# Allegro board RK3588S_Template_LP4XD200P232SD8H2_31X31_2133MHz_H1R6_V11_20220218YWQ.brd (continued)
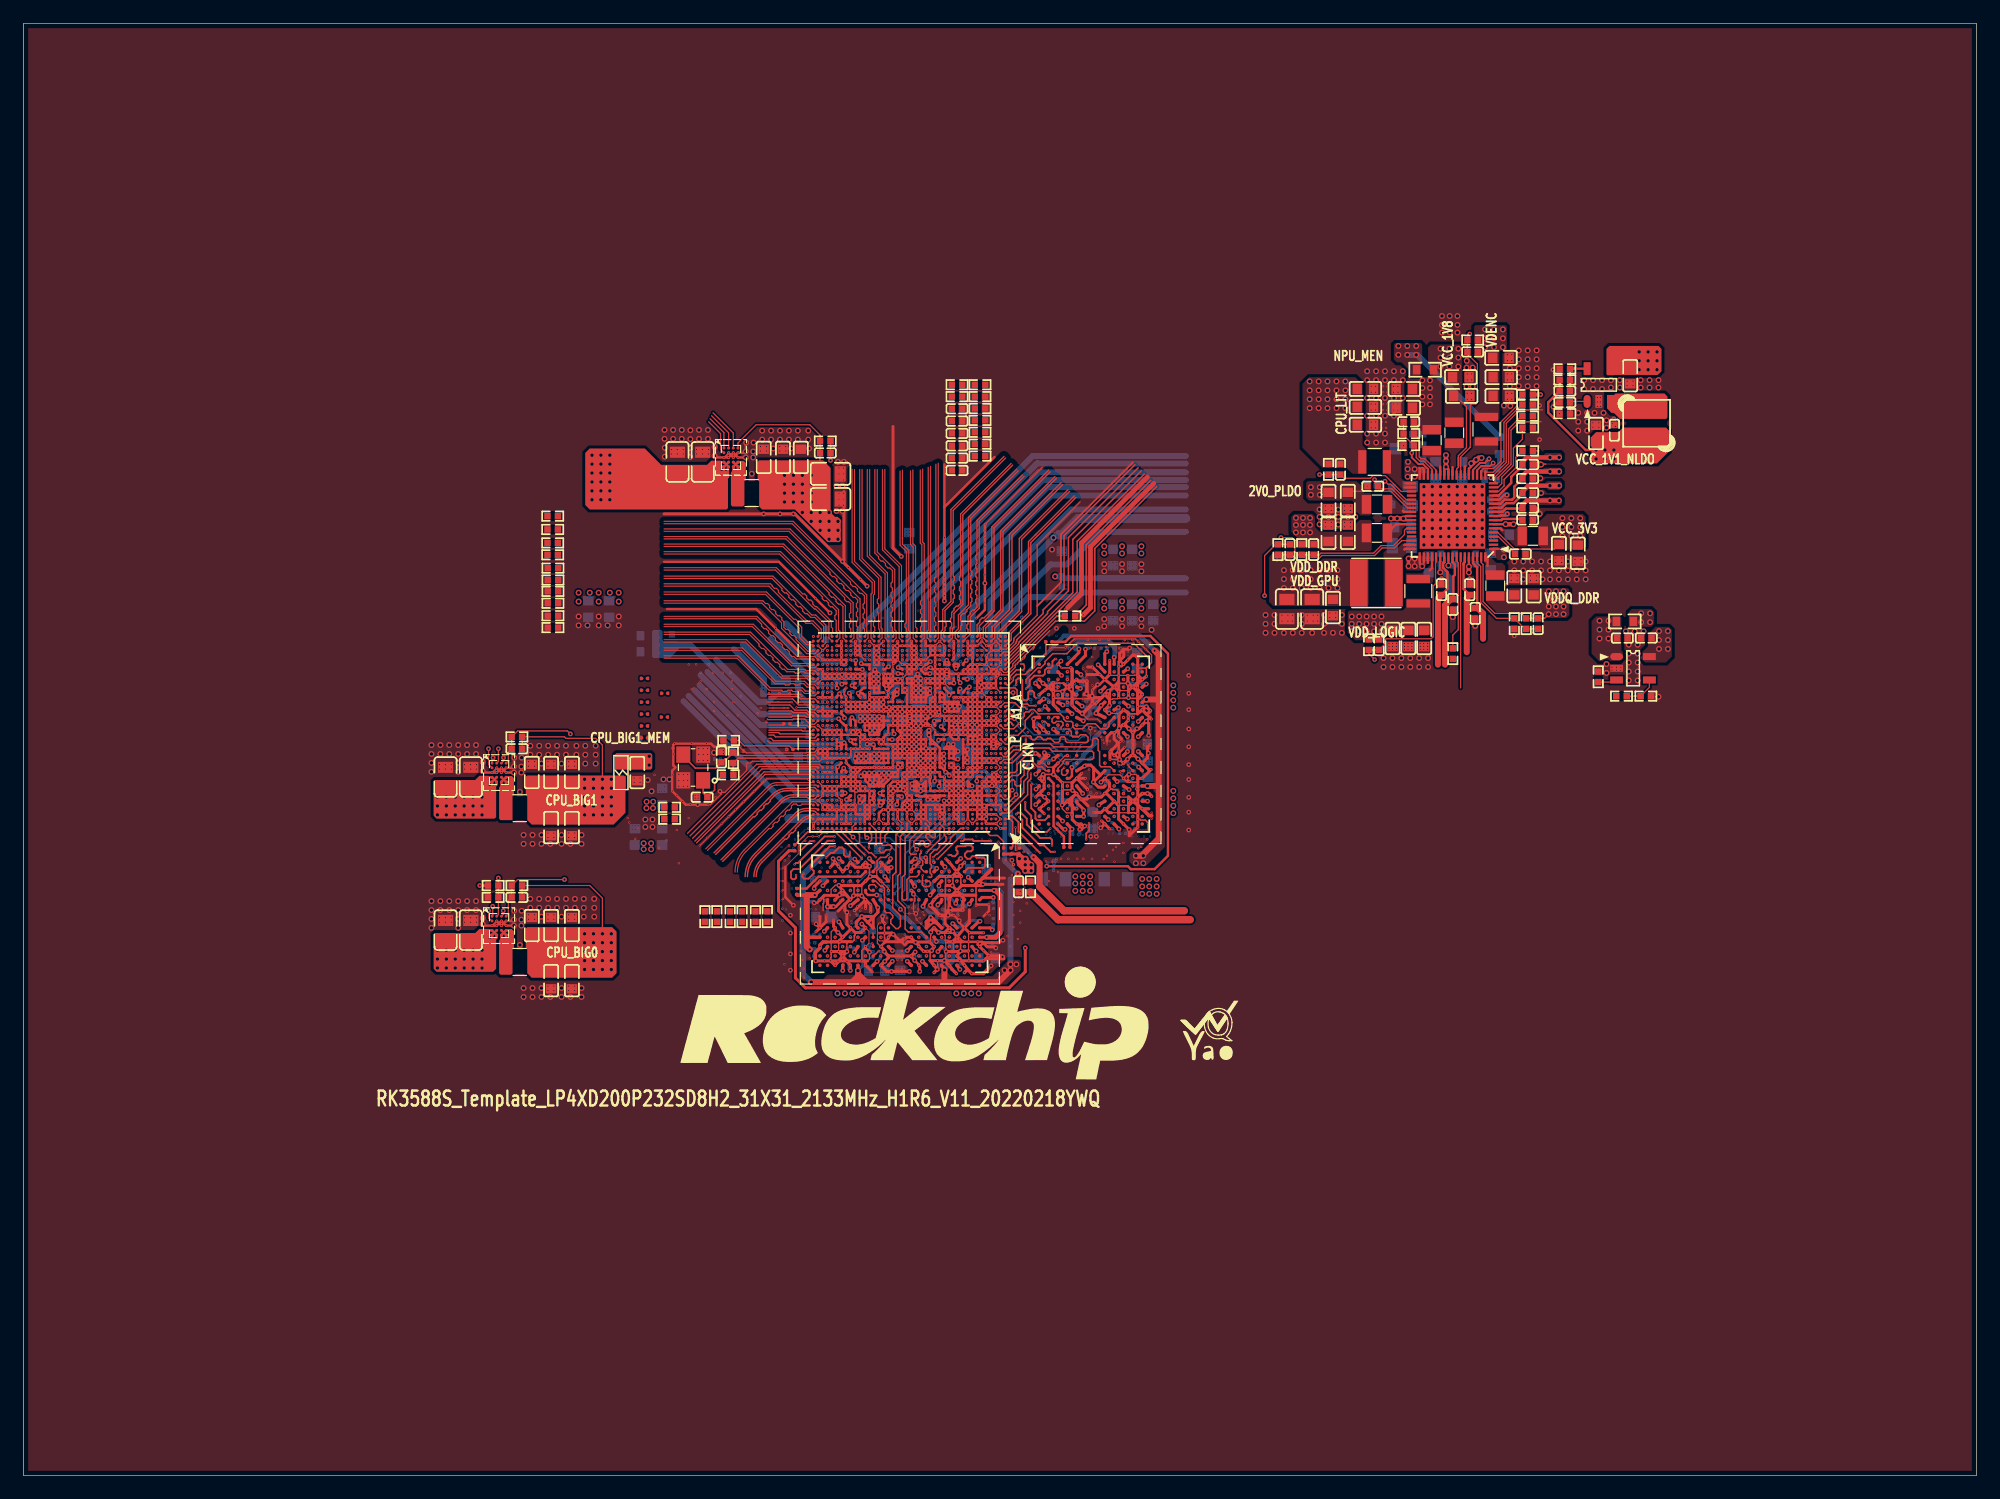
[diagram p0: board, top side]
## Routing (per net, layer and track width the routed paths; a pad name or vN(x,y) marks a point on that pad's centre or on a via; arc(x,y) is an arc through that point) (continued)
  L7-GND2 w0.152: v1(83.69,45.74) 83.28,45.74 83.15,45.86 82.97,45.86 82.02,46.81 v6(81.48,46.81)
  BOTTOM w0.064: 70.43,63.68 C1023.2 ; 70.43,63.68 70.48,63.68 ; 70.43,63.68 70.35,63.68 v4(70.33,63.7) ; C1800.2 69.09,57.74 69.17,57.74 69.21,57.78 v4(69.34,57.78) ; 77.44,67.81 77.58,67.81 v4(77.62,67.77) ; v4(71.5,63.04) 71.55,63.04 71.7,63.19 71.78,63.19 C1025.2 ; v9(67.54,46.22) v4(67.19,46.22) ; v4(70.87,70.87) 70.91,70.91 71.03,70.91 ; R1400.2 79.58,72.52 v4(79.67,72.52) ; C1029.2 70.96,63.91 70.94,63.93 v4(70.92,63.93) ; v4(66.17,54.61) 66.78,55.22 68.45,55.22 ; 70.62,68.96 70.62,68.99 C1611.2 ; v4(85.22,68.07) 84.21,67.06 84.21,66.41 v9(84.71,65.91) ; 79.12,63.52 79.12,63.63 v4(78.99,63.75) ; C1022.2 79.23,65.23 79.23,64.85 v4(79.2,64.82) ; C1030.2 77.11,61.34 v4(76.99,61.21) 77.01,61.21 77.22,61.42 77.35,61.42 ; 75.88,61.11 76.17,61.11 76.2,61.09 v4(76.33,61.09) ; 71.88,59.21 71.73,59.21 v9(71.63,59.31)
  BOTTOM w0.076: v9(88.63,61.03) 88.63,61.1 87.96,61.76 v1(87.23,61.76)
  BOTTOM w0.102: v4(70.82,66.5) 70.67,66.35 v4(70.67,66.29) ; v9(86.74,58.14) 86.87,58.27 86.87,58.92 86.74,59.05 86.31,59.05 v4(85.92,59.44) ; v4(77.09,50.16) 76.73,50.52 C3879.2 ; v4(77.09,50.16) v4(77.09,50.42) ; v4(77.09,50.16) C3886.2 ; 72.85,66.14 72.85,66.14 C1038.2 72.85,65.7 ; v4(73.91,49.19) v4(74.27,49.19) 74.55,48.91 ; v4(73.91,49.19) 73.87,49.19 73.51,49.55 73.51,49.89 v9(73.49,49.91) 73.41,49.99 73.41,50.23 ; v4(73.91,49.19) 74.19,48.91 74.55,48.91 ; v1(78.18,46.4) 78.69,46.91 v4(78.69,46.96) 78.56,47.09 v9(78.56,47.57) ; v4(77.91,65.74) 77.91,65.75 78.41,66.25 C1004.2 ; 70.39,63.83 70.39,63.77 70.48,63.68 70.48,63.8 v4(70.51,63.83) ; v4(78.36,54.74) 78.22,54.74 77.75,54.27 77.7,54.27 v9(77.59,54.16) 77.49,54.27 77.07,54.27 v9(76.96,54.16) 76.86,54.27 75.15,54.27 74.04,55.37 v9(74.04,55.37) ; 70.99,68.34 70.99,68.2 71,68.2 ; 70.99,68.34 71.02,68.36 ; 70.99,68.34 70.74,68.34 ; v9(73.41,50.57) 73.53,50.69 73.71,50.69 v9(74.04,51.02) v9(74.04,51.63) ; v9(89.37,63.7) 89.75,64.07 90.96,64.07 v1(91.17,63.87) ; v9(89.22,60.83) 89.42,61.03 ; 89.42,61.03 v9(88.63,61.03) ; 89.42,61.03 89.49,61.03 v4(90,61.53) v4(90,61.89) v4(90.28,62.17) 90.28,62.4 v4(90.42,62.55) 90.71,62.55 90.82,62.65 90.92,62.65 v4(91.12,62.86) 91.17,62.91 v4(91.17,63.44) v1(91.17,63.87) ; v1(77.52,46.43) 77.4,46.43 76.25,47.57 v1(76.25,48.03) ; v1(74.93,48.38) 74.55,48.76 74.55,48.91 ; v1(74.93,48.38) 75.29,48.03 v1(76.25,48.03) ; v1(74.93,48.38) 74.93,48.53 74.55,48.91 ; 71.82,67.55 71.85,67.55 72.03,67.73 v4(72.03,67.82) ; 71.82,67.55 71.82,67.52 C1017.2 ; 71.82,67.55 71.37,67.55 v4(71.28,67.45) ; 78.13,67.61 77.88,67.36 77.88,67.38 77.88,67.39 v4(77.88,67.31) 77.88,67.03 v4(77.85,67.01) 77.93,67.01 77.95,67.03 78.11,67.03 ; 72.79,65.87 72.79,66.14 72.9,66.26 v4(72.9,66.42) ; C1600.2 70.26,68.36 ; 70.26,68.36 70.32,68.36 v4(70.48,68.2) ; 70.26,68.36 70.26,68.57 v4(70.15,68.68) ; v9(85.34,58.67) 85.34,58.17 84.79,57.61 84.23,57.61 83.71,58.14 83.71,61.35 84.2,61.85 v4(84.2,62.48) v4(84.2,64.9) 84.2,65.41 v9(84.71,65.91) ; 70.62,68.99 70.59,68.99 70.49,68.88 v4(70.49,68.83) 70.62,68.96 70.62,68.86 ; 70.87,68.36 C1907.2 70.87,68.33 ; 71,68.2 70.97,68.2 70.87,68.3 70.87,68.33 ; 71,68.2 v4(71.08,68.2) ; v4(77.09,50.42) 76.76,50.74 C3879.2 ; v4(77.09,50.42) v4(77.09,50.85) 76.84,50.85 C3879.2 ; 72.85,65.7 73.01,65.7 73.41,65.3 v4(73.41,65.18) ; 72.85,65.7 72.85,65.3 72.86,65.29 v4(72.86,65.28) ; 70.87,68.33 70.76,68.22 v4(70.74,68.22) ; v1(76.05,49.68) 76.18,49.68 76.45,49.4 76.45,48.23 v1(76.25,48.03) ; C1714.2 78.11,67.03 ; 78.11,67.03 78.13,67.01 ; v9(66.93,61.98) 67.03,62.08 v4(69.47,62.08) ; v1(91.17,63.87) 91.24,63.95 v4(91.69,63.95) ; v4(77.29,53.43) 77.38,53.52 v4(77.91,53.52) 78.05,53.52 78.25,53.72 v4(79.07,54.54) 79.19,54.54 79.44,54.79 79.44,55.08 79.22,55.31 78.79,55.31 78.67,55.19 ; v1(73.89,56.87) 73.89,55.73 73.1,54.94 72.01,54.94 71.73,55.22 68.45,55.22 ; C1003.2 71.88,59.21 ; v1(94.37,67.68) 93.68,67.68 93.02,67.02 v1(92.69,67.02) ; v4(86.87,57.78) v4(86.63,57.78)
  BOTTOM w0.152: v4(78.82,64.87) 78.66,64.87 78.31,65.22 v1(78.21,65.22)
  BOTTOM w0.203: 75.39,59.79 75.39,59.56 v4(74.97,59.14) v9(75.06,58.93) ; 75.39,59.79 75.34,59.84 75.32,59.84 v4(75.31,59.86) ; 75.39,59.79 v9(75.86,59.89) ; C1725.2 80.19,68.73 ; 80.19,68.73 80.19,68.76 ; 80.19,68.73 80.19,68.7 ; v1(73.9,67.91) 73.9,67.91 74.05,67.76 v4(74.05,67.51) ; v4(71.04,60.48) 71.35,60.48 v4(71.35,60.48) 71.38,60.45 71.61,60.45 71.63,60.47 ; 70.36,56.77 70.83,56.77 v4(70.86,56.79) ; 70.36,56.77 v4(69.6,56.77) v4(69.21,56.77) v4(68.58,56.77) ; 70.36,56.77 v9(70.48,56.9) 70.69,57.1 v4(70.74,57.1) 70.74,57.31 v4(70.84,57.4) 70.86,57.39 v4(70.86,56.79) ; v1(72.29,44.72) 72.29,45.33 C3884.2 ; v1(73.77,67.23) 73.77,66.83 v4(73.76,66.83) v4(73.76,66.45) ; v4(70.86,56.79) 70.99,56.93 v4(70.99,57.1) 70.99,57.71 v9(71.02,57.73) ; v4(78.59,62.48) 78.61,62.51 78.61,63.1 79.04,63.52 79.12,63.52 C1221.2 ; 80.19,68.7 80.19,68.66 v4(80.04,68.5) ; 80.19,68.7 80.37,68.53 v9(80.42,68.53) ; v9(74.04,51.63) 74.04,51.86 v1(74.14,51.96) ; v9(73.13,60.79) 72.85,60.79 72.83,60.76 ; v4(77.77,58.47) 77.27,58.47 76.54,57.74 C1219.2 ; 72.83,60.76 72.54,60.47 72.49,60.47 ; 72.83,60.76 C1075.2 ; C1041.2 73.59,68.2 73.77,68.2 v1(73.9,68.32) ; 77.96,63.42 77.79,63.25 77.79,62.94 77.42,62.57 v4(77.42,62.23) ; 71.63,60.47 v4(71.89,60.47) 72.14,60.47 v4(72.16,60.45) ; 71.63,60.47 C1015.2 ; 72.49,60.47 72.22,60.47 ; 72.49,60.47 v4(72.52,60.45) ; v1(70.35,51.94) 70.39,51.94 C3887.2 70.73,52.29 v4(70.88,52.29) 70.9,52.27 71.2,52.27 71.63,52.7 v4(71.63,52.87) ; 73.3,69.9 73.05,70.15 v1(73.03,70.15) ; v4(91.29,61.34) 91.18,61.34 v4(91.01,61.18) 91.12,61.18 v4(91.29,61.34) ; 79.65,60.45 v1(79.86,60.45) 79.88,60.48 v4(79.88,60.76) 79.47,60.76 v4(79.45,60.74) 79.45,60.66 79.65,60.45
  BOTTOM w0.254: v1(92.79,65.8) 92.77,65.78 v1(92.77,65.14) ; C3815.2 96.03,58.27 v1(96.03,58.27) ; v9(73.41,50.57) 73.41,50.23 v9(73.21,50.03) 73.33,49.91 v9(73.49,49.91) ; v9(89.22,60.83) 89.03,60.83 v9(88.9,60.96) ; 68.48,66.34 v9(68.15,66.34) ; v9(70.21,48.46) 70.21,48.28 v1(70.36,48.13) ; C3860.2 70.39,44.8 v1(70.36,44.77) ; v4(73.66,63.63) 73.63,63.59 C1104.2 73.63,63.15 73.79,62.99 73.79,62.41 73.78,62.41 73.84,62.35 74.65,62.35 C1103.2 ; v4(88.01,51.69) v4(88.01,51.94) 88.05,51.98 v4(88.05,52.32) ; v9(73.57,60.84) 73.52,60.79 v9(73.13,60.79) ; v4(92.73,66.68) 92.69,66.72 v1(92.69,67.02) ; v4(88.05,52.32) 88.01,52.36 v4(88.01,52.58) ; v4(88.05,52.32) 88.05,52.36 v4(88.26,52.58) ; v4(76.53,52.04) 76.53,52.04 v1(76.1,52.04) ; 71,60.47 v4(70.54,60.47) ; v1(94.45,63.81) 94.48,63.84 C3833.2 95.1,63.84 v1(95.13,63.81) ; v1(91.07,58) 91.04,57.98 90.88,57.98 v9(90.73,57.83) 90.63,57.73 v9(90.05,57.73) 89.86,57.73 v4(89.79,57.66) 89.72,57.73 v9(89.4,57.73) 89.23,57.73 ; v1(76.19,44.74) 76.15,44.7 v9(76.15,44.39) 76.15,44.39 v1(76.15,44.01) ; C3885.2 78.84,44.83 v1(78.84,44.77) ; v1(73.56,44.76) 73.56,44.76 v9(73.21,44.76) ; v9(72.59,44.76) C3898.2 ; 89.23,57.73 v4(89.15,57.66) 88.79,57.29 v1(88.75,57.29) 88.52,57.53 v4(88.52,57.72) 88.55,57.75 v4(88.55,58.13) 88.55,58.46 v4(88.55,58.46) ; 89.23,57.73 88.9,57.73 C3810.2 ; v1(94.47,59.91) 94.47,60.15 C3899.2 ; v1(94.33,61.21) 94.33,60.91 v9(94.44,60.8)
  BOTTOM w0.279: C1224.2 78.57,62.46 v4(78.59,62.48)
  BOTTOM w0.305: v1(78.08,43.25) 78.08,43.32 C3890.2 78.31,43.64 v1(78.68,44) 78.86,44.19 C3866.2 78.86,44.75 v1(78.84,44.77) ; v9(73.58,48.18) 73.58,47.94 v1(73.41,47.77) ; C3844.2 95.75,65.7 v1(95.94,65.7) ; v1(67.56,48.94) 67.46,49.05 C3875.2 ; v9(90.17,54.78) 90.25,54.86 v1(90.25,55.21) ; 87.15,64.26 v1(87.15,63.72) ; v9(90.81,66.18) 91.25,66.61 v1(91.32,66.61) 91.62,66.31 v9(91.62,66.18) ; v9(78.56,47.57) 78.56,47.75 78.87,47.75 v1(78.99,47.87) 78.99,47.94 v9(78.56,48.38) ; v9(79.81,46.33) 79.57,46.33 v1(79.4,46.5) ; 94.34,65.22 94.59,64.97 v4(94.81,64.97) ; v4(70.56,43.63) 70.56,43.25 v1(70.65,43.16) ; v1(88.78,66.99) 89.19,66.58 v9(89.19,66.36) 88.5,66.36 v9(88.25,66.61) ; v9(80.16,49.93) v9(80.16,49.55) v9(80.16,49.21) ; v9(94.78,67.7) 94.38,67.7 v1(94.37,67.68)
  vias: v1(65.53,47.88) v1(65.53,46.36) v1(65.53,44.58) v1(65.53,43.18) v1(78.89,68.48) v1(80.7,58.06) v1(81.41,57.91) v1(82.24,56.13) v1(88.01,59.91) v1(88.26,72.39) v1(89.79,72.39) v1(91.19,54.61) v1(91.67,54.61) v1(91.82,72.39) v1(96.12,61.72) v1(99.57,68.37) v1(99.57,66.84) v1(99.57,65.45) v1(99.57,63.8) v1(99.57,62.27) v1(99.57,60.75) v1(99.57,59.48) v1(99.57,57.95) v1(99.57,56.68) v1(99.57,55.16) v1(127.38,71.75) v1(129.54,91.44) v1(129.54,88.52) v1(130.68,94.49) v1(135.89,90.3) v2(35.54,60.75) v2(35.54,60.36) v2(35.54,47.66) v2(35.54,47.28) v2(36.05,60.75) v2(36.05,60.36) v2(36.05,47.66) v2(36.05,47.28) v2(36.56,60.75) v2(36.56,60.36) v2(36.56,47.66) v2(36.56,47.28) v2(37.7,60.75) v2(37.7,60.36) v2(37.7,47.66) v2(37.7,47.28) v2(38.21,60.75) v2(38.21,60.36) v2(38.21,47.66) v2(38.21,47.28) v2(38.72,60.75) v2(38.72,60.36) v2(38.72,47.66) v2(38.72,47.28) v2(43.16,61) v2(43.16,60.62) v2(43.16,47.92) v2(43.16,47.54) v2(43.67,61) v2(43.67,60.62) v2(43.67,47.92) v2(43.67,47.54) v2(44.81,61) v2(44.81,60.62) v2(44.81,54.9) v2(44.81,54.52) v2(44.81,47.92) v2(44.81,47.54) v2(44.81,41.82) v2(44.81,41.44) v2(45.32,61) v2(45.32,60.62) v2(45.32,54.9) v2(45.32,54.52) v2(45.32,47.92) v2(45.32,47.54) v2(45.32,41.82) v2(45.32,41.44) v2(46.59,61) v2(46.59,60.62) v2(46.59,54.9) v2(46.59,54.52) v2(46.59,47.92) v2(46.59,47.54) v2(46.59,41.82) v2(46.59,41.44) v2(47.1,61) v2(47.1,60.62) v2(47.1,54.9) v2(47.1,54.52) v2(47.1,47.92) v2(47.1,47.54) v2(47.1,41.82) v2(47.1,41.44) v2(51.64,56.18) v2(51.77,55.8) v2(52.18,59.6) v2(52.18,59.22) v2(52.27,54.41) v2(52.53,55.3) v2(52.69,59.6) v2(52.69,59.22) v2(53.04,58.98) v2(53.92,59.87) v2(54.31,53.64) v2(54.94,54.28) v2(55.35,87.67) v2(55.35,87.29) v2(55.83,55.17) v2(55.86,87.67) v2(55.86,87.29) v2(56,59.91) v2(56,59.4) v2(56,58.89) v2(56.01,52.32) v2(56.37,87.67) v2(56.37,87.29) v2(56.38,59.91) v2(56.38,59.4) v2(56.38,58.89) v2(56.76,59.91) v2(56.76,59.4) v2(56.76,58.89) v2(56.85,56.18) v2(57.39,58.13) v2(57.39,57.88) v2(57.51,87.67) v2(57.51,87.29) v2(57.7,62.12) v2(57.7,61.61) v2(57.7,61.1) v2(57.65,58.13) v2(57.65,57.88) v2(58.02,87.67) v2(58.02,87.29) v2(58.08,62.12) v2(58.08,61.61) v2(58.08,61.1) v2(58.53,87.67) v2(58.53,87.29) v2(58.46,62.12) v2(58.46,61.61) v2(58.46,61.1) v2(59.13,57.96) v2(59.81,61.94) v2(59.81,61.69) v2(60.83,56.9) v2(62.97,87.92) v2(62.97,87.54) v2(63,65.58) v2(63.48,87.92) v2(63.48,87.54) v2(64.63,87.92) v2(64.63,87.54) v2(64.9,51.94) v2(64.9,50.8) v2(64.9,50.04) v2(64.9,49.28) v2(64.85,48.44) v2(64.85,47.42) v2(65.02,43.69) v2(65.13,87.92) v2(65.13,87.54) v2(65.05,52.56) v2(65.45,52.96) v2(66.42,46.23) v2(66.42,45.47) v2(66.42,44.83) v2(66.55,44.07) v2(66.67,43.31) v2(66.67,42.55) v2(67.06,55.3) v2(67.18,44.2) v2(69.6,43.94) v2(69.68,86.09) v2(69.68,85.58) v2(69.68,85.07) v2(69.68,83.93) v2(69.68,83.42) v2(69.68,82.91) v2(70.06,86.09) v2(70.06,85.58) v2(70.06,85.07) v2(70.06,83.93) v2(70.06,83.42) v2(70.06,82.91) v2(70.1,48.51) v2(70.36,43.94) v2(70.66,60.45) v2(71.12,48.01) v2(71.25,48.64) v2(71.49,56.5) v2(71.5,48.26) v2(71.63,48.51) v2(71.89,62.1) v2(74.55,44.45) v2(74.68,44.07) v2(74.68,43.31) v2(75.06,44.83) v2(75.06,44.47) v2(75.06,44.07) v2(75.06,43.31) v2(75.31,46.23) v2(76.33,69.7) v2(76.33,47.5) v2(76.48,50.8) v2(76.45,48.39) v2(76.58,47.62) v2(76.83,48.13) v2(77.88,66.88) v2(77.98,68.07) v2(80.69,60.1) v2(81.09,56.9) v2(81.49,66.5) v2(81.91,60.96) v2(81.89,58.9) v2(82.3,48.01) v2(82.55,47.88) v2(82.68,44.7) v2(83.89,71.7) v2(83.95,52.58) v2(84.07,46.1) v2(84.33,45.21) v2(84.59,52.2) v2(84.58,51.82) v2(84.58,50.04) v2(84.58,49.02) v2(84.58,47.88) v2(84.58,46.86) v2(84.84,53.85) v2(84.96,45.85) v2(85.09,49.4) v2(85.17,49.91) v2(85.17,48.26) v2(85.17,47.24) v2(85.72,48.89) v2(85.85,53.21) v2(87.63,50.8) v2(87.88,52.45) v2(88.39,51.56) v2(88.65,52.7) v2(88.77,58.67) v2(89.28,52.7) v2(90.04,52.7) v2(90.55,68.96) v2(90.55,52.7) v2(90.8,68.71) v2(90.8,68.2) v2(90.93,59.12) v2(91.06,60.33) v2(91.31,52.7) v2(91.44,58.17) v2(91.57,63.63) v2(91.69,58.29) v2(91.82,55.73) v2(91.95,63.5) v2(92.07,63.12) v2(92.33,62.61) v2(92.58,62.48) v2(92.58,52.96) v2(92.84,62.74) v2(93.09,53.47) v2(93.22,52.45) v2(93.98,62.74) v2(93.98,53.21) v2(94.11,71.4) v2(94.36,62.7) v2(94.74,62.17) v2(95,62.48) v2(95.25,71.25) v2(95.25,70.23) v2(95.25,69.85) v2(95.25,53.59) v2(95.5,53.72) v2(95.76,62.87) v2(95.76,62.48) v2(95.88,70.61) v2(96.01,54.36) v2(96.27,71.12) v2(96.39,56.64) v2(96.39,56.13) v2(114.84,84.53) v2(123.36,94.12) v2(123.36,93.62) v2(123.36,92.47) v2(123.36,91.97) v2(123.74,94.12) v2(123.74,93.62) v2(123.74,92.47) v2(123.74,91.97) v2(126.79,95.78) v2(126.79,95.27) v2(126.79,94.12) v2(126.79,93.62) v2(126.79,92.47) v2(126.79,91.97) v2(127.11,76.87) v2(127.11,76.49) v2(127.17,95.78) v2(127.17,95.27) v2(127.17,94.12) v2(127.17,93.62) v2(127.17,92.47) v2(127.17,91.97) v2(127.62,76.87) v2(127.62,76.49) v2(128.76,76.87) v2(128.76,76.49) v2(129.27,76.87) v2(129.27,76.49) v2(130.92,78.4) v2(130.92,78.02) v2(131.43,78.4) v2(131.43,78.02) v2(132.57,78.27) v2(132.57,77.89) v2(133.08,78.27) v2(133.08,77.89) v2(134.09,89.96) v2(134.09,89.57) v2(134.48,92.11) v2(134.48,91.73) v2(134.48,91.35) v2(134.6,89.96) v2(134.6,89.57) v2(134.73,92.11) v2(134.73,91.73) v2(134.73,91.35) v2(135.72,69.07) v2(135.72,68.82) v2(135.74,89.91) v2(136.01,89.64) v2(136.1,69.07) v2(136.1,68.82) v2(136.49,69.07) v2(136.49,68.82) v2(137.02,93.51) v2(137.02,93.13) v2(137.52,93.51) v2(137.52,93.13) v3(40.02,47.39) v3(40.04,46.59) v3(40.64,47.75) v3(40.71,46.59) v3(41.24,46.59) v3(41.27,47.75) v3(59.31,68.6) v3(60.45,69.31) v3(65.25,81.44) v3(67.44,79.25) v3(69.09,46.32) v3(69.09,44.07) v3(69.35,43.16) v3(69.72,77.22) v3(69.9,57) v3(69.98,44.07) v3(70.23,50.39) v3(70.36,56.95) v3(70.46,68.53) v3(70.87,47.75) v3(70.95,71.68) v3(70.99,57.73) v3(71.07,43.82) v3(71.17,62.41) v3(71.17,56.61) v3(71.5,48.89) v3(71.58,62.41) v3(71.88,65.38) v3(72.09,76.96) v3(72.19,68.28) v3(72.37,57.4) v3(72.46,67.14) v3(72.92,67.14) v3(73.15,56.74) v3(73.25,68.94) v3(73.33,67.14) v3(73.33,63.96) v3(73.51,57.81) v3(73.55,68.12) v3(73.56,67.69) v3(73.61,64.64) v3(73.63,61.59) v3(73.63,61.19) v3(73.69,58.42) v3(73.86,58.01) v3(73.91,57.3) v3(74.02,61.82) v3(74.02,61.42) v3(74.09,60.76) v3(74.29,64.24) v3(74.52,61.01) v3(74.65,56.85) v3(74.75,58.52) v3(74.76,44.83) v3(74.8,43.69) v3(74.86,61.59) v3(75.03,62.99) v3(75.06,80.39) v3(75.11,62.23) v3(75.29,64.87) v3(75.34,64.01) v3(75.27,61.59) v3(75.26,58.98) v3(75.44,60.96) v3(75.46,62.94) v3(75.46,62.51) v3(75.51,46.53) v3(75.67,61.59) v3(75.95,72.03) v3(75.96,60.05) v3(75.95,46.1) v3(76.05,66.16) v3(76.08,61.59) v3(76.2,51.02) v3(76.33,47.16) v3(76.71,69.29) v3(76.66,66.37) v3(76.71,62.15) v3(76.71,60.45) v3(76.88,59.86) v3(77.17,68.09) v3(77.27,60.43) v3(77.7,65.27) v3(77.71,61.54) v3(77.7,60.42) v3(78.14,67.52) v3(78.13,67.11) v3(78.13,66.71) v3(78.12,66.3) v3(78.13,61.65) v3(78.16,61.16) v3(78.16,60.76) v3(79.31,65.24) v3(79.63,57.17) v3(80.01,57.02) v3(80.07,66.26) v3(80.21,68.83) v3(80.77,43.73) v3(80.88,66.26) v3(81.43,68.84) v3(81.43,60.83) v3(83.69,62.94) v3(84.58,49.53) v3(84.96,52.07) v3(85.6,71.5) v3(86.87,62.05) v3(88.81,57.85) v3(90.14,60.54) v3(91.44,61.72) v3(91.44,58.49) v3(92.03,63.95) v3(91.95,61.09) v3(92.46,62.1) v3(93.6,52.83) v3(93.73,71.46) v3(93.66,62.35) v3(94.23,53.37) v3(94.36,67.12) v3(94.49,62.36) v3(95.38,62.48) v3(95.94,66.97) v3(95.88,53.98) v3(95.95,69.1) v3(96.18,55.4) v3(96.27,57.02) v4(64.77,53.72) v4(64.77,52.83) v4(64.77,51.82) v4(64.77,50.8) v4(64.77,49.91) v4(64.77,49.15) v4(64.9,54.48) v4(65.15,48.39) v4(65.4,54.99) v4(65.66,50.16) v4(65.79,53.59) v4(65.79,50.67) v4(65.91,54.36) v4(66.67,54.61) v4(66.8,67.06) v4(66.93,63.37) v4(66.93,63.12) v4(67.06,48.01) v4(67.18,66.93) v4(67.18,63.37) v4(67.18,63.12) v4(67.18,45.47) v4(67.31,51.13) v4(67.31,50.83) v4(67.44,47.37) v4(67.51,51.33) v4(67.56,67.06) v4(67.61,45.52) v4(67.54,44.41) v4(67.82,54.86) v4(67.94,66.93) v4(67.97,49.14) v4(68.35,67.02) v4(68.45,68.71) v4(68.58,63.37) v4(68.71,69.09) v4(68.71,68.71) v4(68.71,67.06) v4(68.88,57.86) v4(68.96,68.92) v4(68.96,62.99) v4(68.96,57.53) v4(69.21,68.71) v4(69.34,68.96) v4(69.34,57.53) v4(69.53,68.67) v4(69.57,65.99) v4(69.7,70.14) v4(69.65,68.92) v4(69.72,68.71) v4(69.7,57.76) v4(69.72,57.53) v4(69.82,65.99) v4(69.78,62.03) v4(69.82,50.04) v4(69.85,66.29) v4(69.95,63.93) v4(69.98,49.4) v4(70.05,70.05) v4(70.11,66.52) v4(70.11,65.99) v4(70.1,50.67) v4(70.48,70.74) v4(70.48,70.48) v4(70.48,70.23) v4(70.48,69.85) v4(70.48,60.2) v4(70.56,58.6) v4(70.62,47.92) v4(70.74,60.33) v4(70.67,52.15) v4(70.74,47.37) v4(70.74,47.12) v4(70.74,46.74) v4(70.74,46.36) v4(70.74,45.97) v4(70.84,63.35) v4(70.84,58.52) v4(70.87,71.12) v4(70.87,70.61) v4(70.9,70.27) v4(70.99,47.24) v4(70.99,46.86) v4(70.99,46.48) v4(70.99,46.1) v4(71.07,70.64) v4(71.04,63.27) v4(71.12,62.74) v4(71.12,45.72) v4(71.22,62.99) v4(71.25,47.12) v4(71.25,46.74) v4(71.25,46.36) v4(71.25,45.97) v4(71.38,67.79) v4(71.38,65.82) v4(71.45,68.35) v4(71.5,46.69) v4(71.5,46.38) v4(71.75,46.69) v4(71.75,46.38) v4(72.14,71.12) v4(72.06,70.87) v4(72.06,70.52) v4(72.26,72.14) v4(72.29,58.19) v4(72.39,70.99) v4(72.52,72.01) v4(72.52,71.63) v4(72.52,71.37) v4(72.57,58.27) v4(72.64,58.04) v4(72.77,58.19) v4(73.02,71.12) v4(72.95,62.92) v4(73.15,71.88) v4(73.15,71.63) v4(73.18,66.22) v4(73.19,62.74) v4(73.3,71.12) v4(73.28,69.86) v4(73.35,62.87) v4(73.38,62.67) v4(73.44,58.73) v4(73.76,57.63) v4(73.86,65.96) v4(73.91,58.67) v4(74.04,58.93) v4(74.02,58.42) v4(74.04,57.63) v4(74.12,57.84) v4(74.22,68) v4(74.17,58.17) v4(74.24,66.37) v4(74.29,65.96) v4(74.42,70.61) v4(74.35,68.22) v4(74.4,58.8) v4(74.5,69.77) v4(74.5,69.52) v4(74.47,65.68) v4(74.5,64.97) v4(74.55,71.25) v4(74.55,58.27) v4(74.68,69.98) v4(74.65,64.31) v4(74.8,71.25) v4(74.8,70.48) v4(74.84,70.2) v4(74.78,65.69) v4(74.93,63.63) v4(74.93,63.37) v4(75.09,80.09) v4(75.06,65.84) v4(75.06,62.66) v4(75.31,63.25) v4(75.26,61.26) v4(75.44,80.77) v4(75.44,80.52) v4(75.44,80.26) v4(75.41,65.66) v4(75.44,65.41) v4(75.44,65.15) v4(75.56,63.25) v4(75.64,61.26) v4(75.69,80.77) v4(75.69,80.52) v4(75.69,80.26) v4(75.69,65.28) v4(75.69,60.76) v4(75.67,57.76) v4(75.69,56.52) v4(75.82,57.53) v4(75.82,56.77) v4(75.95,80.77) v4(75.95,80.52) v4(75.95,80.26) v4(76,63.6) v4(75.95,57.15) v4(76.07,65.28) v4(76.1,64.67) v4(76.07,64.31) v4(76.07,57.66) v4(76.07,56.08) v4(76.2,63.6) v4(76.15,60.75) v4(76.2,57.4) v4(76.2,56.72) v4(76.2,56.46) v4(76.28,57.05) v4(76.33,56.08) v4(76.35,61.77) v4(76.35,61.44) v4(76.4,59.72) v4(76.38,57.71) v4(76.45,64.31) v4(76.45,57.4) v4(76.45,56.46) v4(76.56,63.53) v4(76.61,62.87) v4(76.58,62.59) v4(76.69,65.42) v4(76.66,64.89) v4(76.83,65.13) v4(76.94,62.38) v4(76.91,61.87) v4(76.94,60.17) v4(76.99,60.58) v4(77.22,60.07) v4(77.29,65.59) v4(77.32,64.64) v4(77.3,64.21) v4(77.47,59.82) v4(77.6,65.66) v4(77.8,68.12) v4(77.8,67.87) v4(77.83,60.76) v4(77.9,69.26) v4(77.94,65.07) v4(77.98,70.1) v4(77.98,65.46) v4(78.05,69.74) v4(78.05,68.02) v4(78.23,69.34) v4(78.23,68.33) v4(78.31,68.02) v4(78.36,68.96) v4(78.38,68.66) v4(78.46,66.37) v4(78.56,68.38) v4(78.58,57.23) v4(78.58,54.99) v4(78.69,69.14) v4(78.84,57.3) v4(78.89,58.04) v4(78.87,56.77) v4(78.87,56.52) v4(78.99,57.02) v4(79.04,65.02) v4(79.04,64.63) v4(79.25,64.41) v4(79.25,63.75) v4(79.25,57.28) v4(79.5,64.64) v4(79.5,57.53) v4(79.71,64.52) v4(79.68,58.12) v4(79.76,63.7) v4(79.88,68.07) v4(79.88,63.5) v4(80.06,69.55) v4(80.06,69.29) v4(80.14,45.21) v4(80.26,63.83) v4(80.26,63.5) v4(80.37,69.19) v4(80.39,63.25) v4(80.52,63.75) v4(80.59,62.91) v4(80.64,63.5) v4(80.77,64.01) v4(80.9,63.75) v4(81.03,63.37) v4(81.13,58.32) v4(81.15,54.23) v4(81.31,67.26) v4(81.28,63.88) v4(81.28,63.63) v4(81.28,63.37) v4(81.31,62.53) v4(81.41,54.61) v4(81.53,54.23) v4(81.64,62.53) v4(81.66,63.88) v4(81.66,63.5) v4(81.66,62.99) v4(81.66,57.02) v4(81.91,63.12) v4(81.86,62.53) v4(82.04,63.88) v4(82.04,63.5) v4(82.04,62.87) v4(82.17,62.61) v4(82.19,50.75) v4(82.3,63.5) v4(82.3,63.12) v4(82.42,62.74) v4(82.55,63.5) v4(82.55,56.9) v4(82.68,63.12) v4(82.8,63.5) v4(82.93,62.87) v4(82.93,56.52) v4(82.93,56.13) v4(82.93,51.05) v4(83.06,63.12) v4(83.06,55.24) v4(83.06,54.74) v4(83.18,62.61) v4(83.18,62.1) v4(83.18,55.63) v4(83.31,65.66) v4(83.31,63.37) v4(83.4,62.99) v4(83.39,50.46) v4(83.57,62.61) v4(83.57,61.72) v4(83.69,66.17) v4(83.69,62.23) v4(83.95,62.74) v4(84.07,63.63) v4(84.33,52.96) v4(84.45,62.23) v4(84.53,53.16) v4(84.71,53.47) v4(84.96,54.86) v4(85.34,54.48) v4(85.47,69.34) v4(85.72,66.29) v4(85.72,66.04) v4(85.72,65.66) v4(85.97,65.39) v4(85.98,53.85) v4(86.11,66.04) v4(86.38,65.79) v4(86.49,56.13) v4(86.49,53.34) v4(86.87,70.74) v4(87.38,70.99) v4(87.38,54.74) v4(87.63,71.75) v4(87.76,54.96) v4(87.76,54.61) v4(88.06,55.1) v4(88.14,54.86) v4(88.26,71.75) v4(88.26,69.72) v4(88.39,54.97) v4(88.65,55.37) v4(88.65,54.61) v4(88.77,54.99) v4(89.03,54.86) v4(89.15,70.23) v4(89.33,69.9) v4(89.41,71.12) v4(89.53,62.48) v4(89.84,67.92) v4(89.79,62.1) v4(89.92,62.48) v4(91.17,58.34) v4(91.69,58.29) v4(92.07,58.29) v4(92.58,58.29) v4(93.09,58.29) v4(93.98,71.25) v4(94.36,71.25) v4(94.87,71.25) v4(95.12,70.99) v4(95.5,65.91) v4(118.67,88.97) v5(34.86,62.42) v5(34.86,61.66) v5(34.86,60.89) v5(34.86,60.13) v5(34.86,49.08) v5(34.86,48.32) v5(34.86,47.56) v5(34.86,46.8) v5(35.62,62.42) v5(35.62,61.66) v5(35.62,49.08) v5(35.62,48.32) v5(36.39,62.42) v5(36.39,61.66) v5(36.39,49.08) v5(36.39,48.32) v5(37.15,62.42) v5(37.15,61.66) v5(37.15,60.89) v5(37.15,60.13) v5(37.15,49.08) v5(37.15,48.32) v5(37.15,47.56) v5(37.15,46.8) v5(37.91,62.42) v5(37.91,61.66) v5(37.91,49.08) v5(37.91,48.32) v5(38.67,62.42) v5(38.67,61.66) v5(38.67,49.08) v5(38.67,48.32) v5(39.24,60.97) v5(39.24,47.63) v5(41.94,48.26) v5(42.42,58.42) v5(42.42,45.34) v5(42.57,61.34) v5(42.54,60.58) v5(42.54,60.07) v5(42.57,48.26) v5(42.54,47.5) v5(42.54,46.99) v5(42.74,54.74) v5(42.74,53.98) v5(42.74,41.66) v5(42.74,40.89) v5(43.31,62.36) v5(43.31,61.59) v5(43.31,49.28) v5(43.31,48.51) v5(43.5,54.74) v5(43.5,53.98) v5(43.5,41.66) v5(43.5,40.89) v5(44.07,62.36) v5(44.07,61.59) v5(44.07,49.28) v5(44.07,48.51) v5(44.26,60.83) v5(44.26,54.74) v5(44.26,53.98) v5(44.26,47.75) v5(44.26,41.66) v5(44.26,40.89) v5(44.83,62.36) v5(44.83,61.59) v5(44.83,49.28) v5(44.83,48.51) v5(45.02,53.98) v5(45.02,40.89) v5(45.59,62.36) v5(45.59,61.59) v5(45.59,49.28) v5(45.59,48.51) v5(45.97,60.83) v5(45.97,54.74) v5(45.97,53.98) v5(45.97,47.75) v5(45.97,41.66) v5(45.97,40.89) v5(46.35,62.36) v5(46.35,61.59) v5(46.35,49.28) v5(46.35,48.51) v5(46.74,53.98) v5(46.74,40.89) v5(47.12,49.28) v5(47.12,48.51) v5(47.24,62.36) v5(47.24,61.59) v5(47.43,73.41) v5(47.43,72.64) v5(47.69,54.74) v5(47.69,53.98) v5(47.69,41.66) v5(47.69,40.89) v5(47.88,49.28) v5(47.88,48.51) v5(47.88,47.75) v5(48.01,62.36) v5(48.01,61.59) v5(48.01,60.83) v5(48.2,72.64) v5(48.77,49.28) v5(48.77,48.51) v5(48.77,47.75) v5(48.89,62.36) v5(48.89,61.59) v5(48.89,60.83) v5(49.15,73.41) v5(49.15,72.64) v5(49.91,72.64) v5(50.86,73.41) v5(50.86,72.64) v5(53.14,56.06) v5(53.14,55.42) v5(53.34,59.44) v5(53.67,58.47) v5(53.75,56.06) v5(53.75,55.42) v5(54.69,59.49) v5(54.78,89.34) v5(54.78,88.58) v5(54.8,87.82) v5(54.8,87.06) v5(55.19,59.49) v5(55.51,89.34) v5(55.51,88.58) v5(56.25,89.34) v5(56.25,88.58) v5(56.98,89.32) v5(56.98,88.56) v5(56.98,87.8) v5(56.98,87.03) v5(57.72,89.34) v5(57.72,88.58) v5(58.48,89.34) v5(58.48,88.58) v5(59,61.77) v5(59.06,87.89) v5(62.23,85.6) v5(62.38,88.27) v5(62.36,87.5) v5(62.36,87) v5(63.12,89.28) v5(63.12,88.52) v5(63.88,89.28) v5(63.88,88.52) v5(64.07,87.76) v5(64.64,89.28) v5(64.64,88.52) v5(65.4,89.28) v5(65.4,88.52) v5(65.6,87.76) v5(66.17,89.28) v5(66.17,88.52) v5(67.06,89.28) v5(67.06,88.52) v5(67.12,87.76) v5(69.47,84.58) v5(69.47,82.42) v5(69.6,86.61) v5(69.98,84.58) v5(69.98,82.42) v5(70.1,86.61) v5(87.88,79.12) v5(92.34,77.88) v5(92.34,77.27) v5(92.34,73.18) v5(92.34,72.57) v5(93.87,77.88) v5(93.87,77.27) v5(93.87,73.18) v5(93.87,72.57) v5(95.52,77.88) v5(95.52,77.27) v5(95.52,73.18) v5(95.52,72.57) v5(96.39,72.26) v5(106.13,73.53) v5(106.13,72.77) v5(106.13,72.01) v5(106.89,73.53) v5(106.89,72.77) v5(106.89,72.01) v5(107.7,72.01) v5(108.46,72.01) v5(109.22,73.53) v5(109.22,72.77) v5(109.22,72.01) v5(110.11,72.01) v5(110.74,82.55) v5(110.74,81.91) v5(110.74,81.28) v5(111.12,73.53) v5(111.12,72.77) v5(111.12,72.01) v5(111.51,81.91) v5(111.89,72.01) v5(112.34,82.53) v5(112.34,81.91) v5(112.34,81.26) v5(112.65,73.53) v5(112.65,72.77) v5(112.65,72.01) v5(113.16,81.91) v5(113.79,81.91) v5(114.81,94.36) v5(114.81,93.6) v5(114.81,92.08) v5(114.81,90.55) v5(114.81,89.03) v5(114.81,88.27) v5(115.57,94.36) v5(115.57,93.6) v5(115.57,92.08) v5(115.57,90.55) v5(115.57,89.03) v5(115.57,88.27) v5(116.2,69.85) v5(116.2,69.09) v5(116.33,94.36) v5(116.33,93.6) v5(116.33,92.08) v5(116.33,90.55) v5(116.33,89.03) v5(116.33,88.27) v5(116.97,69.85) v5(116.97,69.09) v5(117.09,94.36) v5(117.09,93.6) v5(117.09,92.08) v5(117.09,90.55) v5(117.73,69.85) v5(117.73,69.09) v5(117.86,94.36) v5(117.86,93.6) v5(117.86,92.08) v5(118.49,69.85) v5(118.49,69.09) v5(119.25,69.85) v5(119.25,69.09) v5(119.66,84.5) v5(119.66,83.79) v5(119.66,83.08) v5(119.66,82.36) v5(119.66,81.65) v5(119.66,80.94) v5(119.66,80.23) v5(119.66,79.52) v5(120.01,69.85) v5(120.01,69.09) v5(120.37,84.5) v5(120.37,83.79) v5(120.37,83.08) v5(120.37,82.36) v5(120.37,81.65) v5(120.37,80.94) v5(120.37,80.23) v5(120.37,79.52) v5(121.08,84.5) v5(121.08,83.79) v5(121.08,83.08) v5(121.08,82.36) v5(121.08,81.65) v5(121.08,80.94) v5(121.08,80.23) v5(121.08,79.52) v5(121.2,99.08) v5(121.2,98.32) v5(121.2,97.66) v5(121.79,84.5) v5(121.79,83.79) v5(121.79,83.08) v5(121.79,82.36) v5(121.79,81.65) v5(121.79,80.94) v5(121.79,80.23) v5(121.79,79.52) v5(121.86,99.08) v5(121.86,98.32) v5(121.86,97.66) v5(122.52,99.08) v5(122.52,98.32) v5(122.52,97.66) v5(122.5,84.5) v5(122.5,83.79) v5(122.5,83.08) v5(122.5,82.36) v5(122.5,81.65) v5(122.5,80.94) v5(122.5,80.23) v5(122.5,79.52) v5(123.22,84.5) v5(123.22,83.79) v5(123.22,83.08) v5(123.22,82.36) v5(123.22,81.65) v5(123.22,80.94) v5(123.22,80.23) v5(123.22,79.52) v5(123.32,95.25) v5(123.3,94.67) v5(123.3,93.06) v5(123.82,94.67) v5(123.82,93.06) v5(123.93,84.5) v5(123.93,83.79) v5(123.93,83.08) v5(123.93,82.36) v5(123.93,81.65) v5(123.93,80.94) v5(123.93,80.23) v5(123.93,79.52) v5(124.64,84.5) v5(124.64,83.79) v5(124.64,83.08) v5(124.64,82.36) v5(124.64,81.65) v5(124.64,80.94) v5(124.64,80.23) v5(124.64,79.52) v5(126.49,91.43) v5(127,94.61) v5(127,93.09) v5(127.38,78.11) v5(127.38,77.34) v5(127.76,96.14) v5(127.76,95.38) v5(127.76,94.61) v5(127.76,93.85) v5(127.76,93.09) v5(128.14,78.11) v5(128.14,77.34) v5(128.14,76.58) v5(128.52,96.14) v5(128.52,95.38) v5(128.52,94.61) v5(128.52,93.85) v5(128.52,93.09) v5(128.91,78.11) v5(128.91,77.34) v5(129.29,96.14) v5(129.29,95.38) v5(129.29,94.61) v5(129.29,93.85) v5(129.29,93.09) v5(129.6,85.22) v5(129.67,83.95) v5(129.67,78.11) v5(129.67,77.34) v5(129.79,76.58) v5(130.43,78.11) v5(130.43,77.34) v5(130.43,76.58) v5(131.19,77.34) v5(131.19,76.58) v5(131.95,78.11) v5(131.95,77.34) v5(131.95,76.58) v5(132.72,77.34) v5(132.72,76.58) v5(132.84,90.81) v5(132.84,90.04) v5(132.84,89.28) v5(133.35,93.6) v5(133.35,92.84) v5(133.48,78.11) v5(133.48,77.34) v5(133.48,76.58) v5(133.6,90.81) v5(133.6,90.04) v5(133.6,89.28) v5(134.11,93.6) v5(134.11,92.84) v5(134.24,90.81) v5(134.87,93.6) v5(134.87,92.84) v5(135,90.81) v5(135.25,90.17) v5(135.25,89.53) v5(135.25,69.34) v5(135.25,68.58) v5(135.64,93.6) v5(135.64,92.96) v5(136.4,93.6) v5(136.4,92.96) v5(136.91,72.14) v5(137.16,70.99) v5(137.16,70.23) v5(137.16,69.47) v5(137.16,68.71) v5(137.16,67.94) v5(137.67,72.14) v5(137.92,70.99) v5(137.92,70.23) v5(137.92,69.47) v5(137.92,68.71) v5(137.92,67.94) v5(138.18,93.6) v5(138.18,92.96) v5(138.43,72.14) v5(138.94,93.6) v5(138.94,92.96) v5(139.7,93.6) v5(139.7,92.96) v5(139.7,66.55) v6(65.02,67.31) v6(65.53,53.85) v6(65.53,52.7) v6(65.53,51.71) v6(65.53,51.05) v6(65.66,67.06) v6(65.79,67.56) v6(65.79,65.79) v6(65.79,55.37) v6(65.91,52.58) v6(65.91,52.07) v6(65.91,49.91) v6(66.04,53.21) v6(66.04,51.69) v6(66.17,67.06) v6(66.29,67.56) 